# Altium PCB BLE-T1.PcbDoc (part 3 of 3)
Units mm, origin at the board's own origin, x right, y up, seen from the top; angles counter-clockwise.
Board outline 284.81 x 94.3 mm, 2 copper layers (Component Side, Bottom Layer), stack 1.571 mm thick; 189 components, 121 nets, 835 pads, 172 vias.
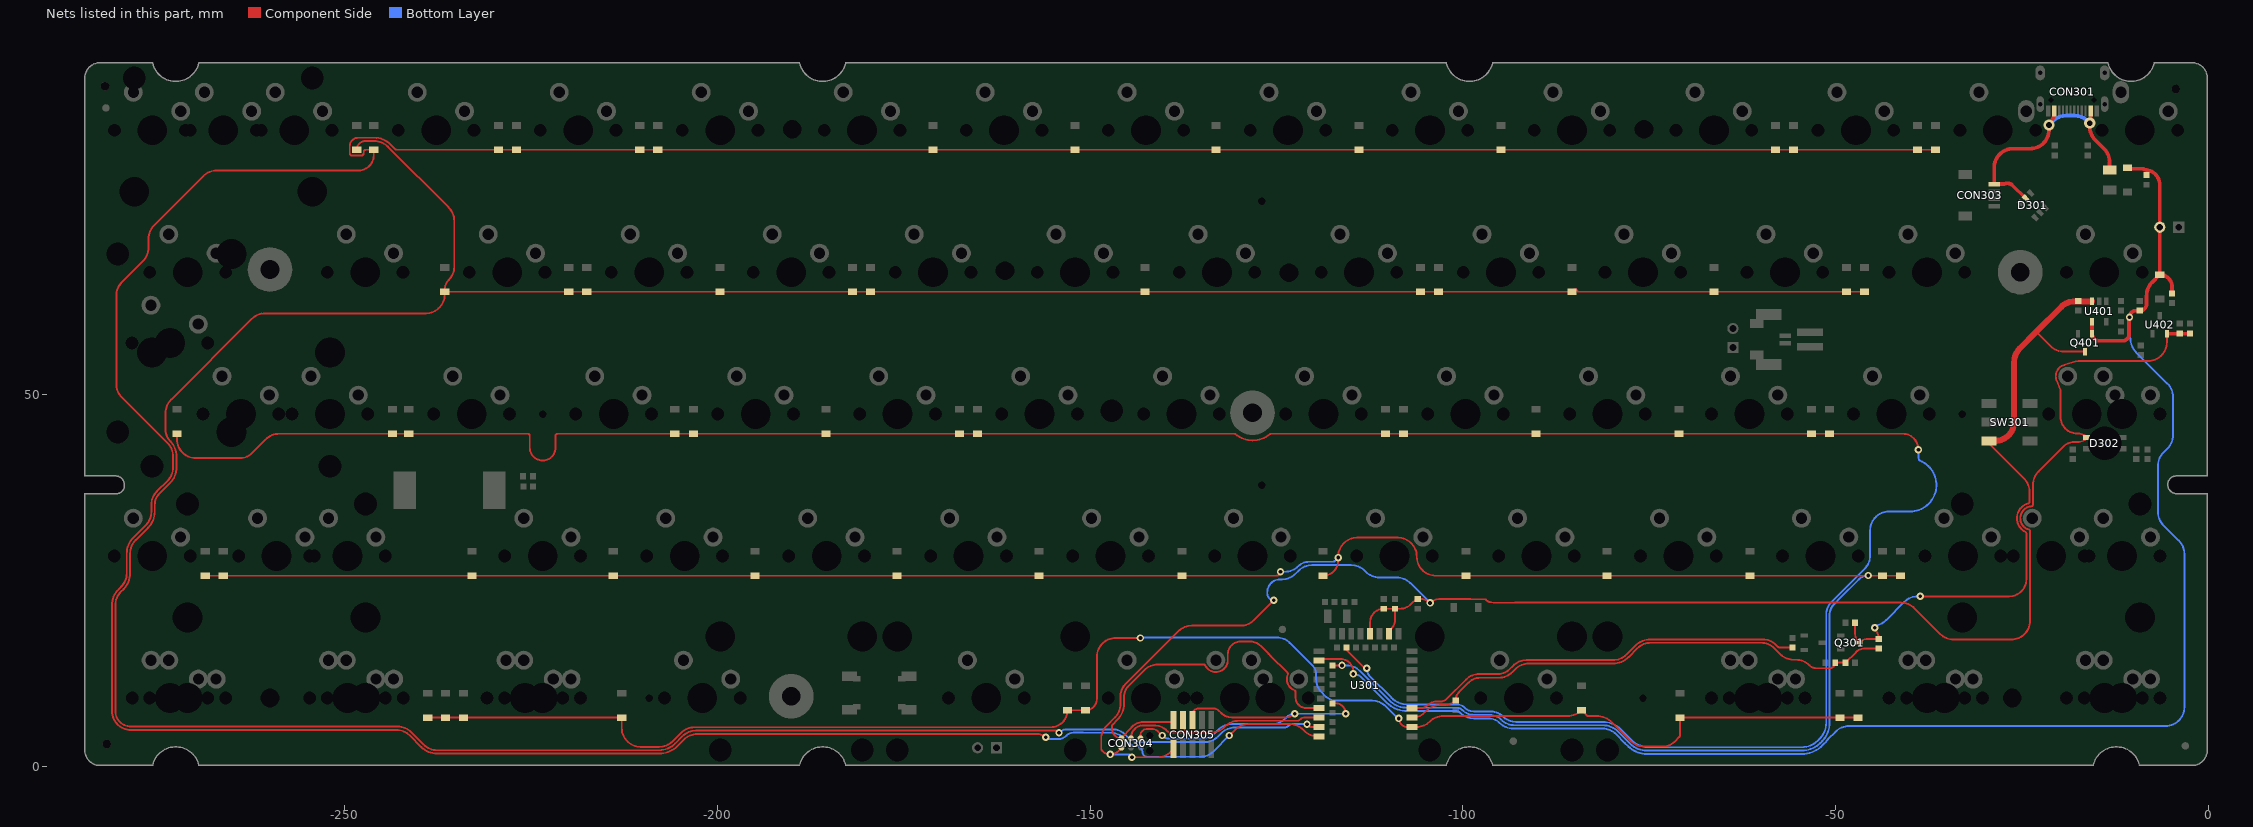
[diagram p3: the nets of this part, all layers, seen from the top]

## Via types
v1: diameter 1, hole 0.5, Component Side to Bottom Layer, tented both sides, 163 vias
v2: diameter 1.5, hole 0.8, Component Side to Bottom Layer, tented both sides, 7 vias
v3: diameter 1.5, hole 0.75, Component Side to Bottom Layer, tented both sides, 2 vias

## Nets (pads, with @x,y where several pads share a name; then routed paths per layer and width w, separated by ;. In a path a pad name is that pad's centre, name@x,y a point inside that pad or via, vN(x,y) a via of type N, cw(c..) or ccw(c..) an arc to the next point about the centre after c; other vN are vias at no path point) (continued)
RAW: CON301.A4B9 CON301.B4A9 CON303.1 D301.5 F301.2 | length 35.7
  Component Side w0.5: -26.694,78.265 cw(c-26.924,77.343) -26.261,78.024 ; D301.5@-24.467,76.283 -26.261,78.023 ccw(c-26.924,77.343) -27.287,78.221 cw(c-27.478,78.683) -27.491,78.183 ccw(c-27.555,75.644) -27.555,78.184 CON303.1@-28.702,78.184 -28.702,80.391 cw(c-26.162,80.391) -26.162,82.931 -23.876,82.931 ccw(c-23.876,85.471) -21.475,84.644 ccw(c-21.947,84.808) -21.448,84.774 cw(c-20.999,84.743) -21.409,84.929 ccw(c-21.864,85.137) -21.371,85.054 ccw(c-23.876,85.471) -21.336,85.471 v3(-21.336,86.106) -20.766,87.04 ccw(c-21.15,87.275) -20.702,87.23 -20.653,87.71 ccw(c-21.15,87.762) -20.65,87.762 CON301.B4A9@-20.65,88 ; CON301.A4B9@-15.75,88 -15.75,86.662 cw(c-16.177,86.662) v3(-15.875,86.36) -15.875,85.888 ccw(c-13.335,85.888) -15.131,84.092 -13.952,82.913 cw(c-15.748,81.117) -13.208,81.117 F301.2@-13.208,80.09
  Bottom Layer w0.5: v3(-21.336,86.106) -20.81,86.632 cw(c-19.014,84.836) -19.014,87.376 -17.943,87.376 cw(c-17.943,84.836) -16.147,86.632 v3(-15.875,86.36)
row1: D201.2 D202.2 D203.2 D204.2 D205.2 D206.2 D207.2 D208.2 D209.2 D210.2 D211.2 D212.2 D213.2 D214.2 U301.43 | length 495
  Component Side w0.254: v1(-155.956,3.937) ccw(c-157.035,2.858) -157.035,4.384 -202.717,4.384 ccw(c-202.717,1.844) -204.513,3.64 -205.384,2.769 cw(c-207.822,5.207) -207.822,1.759 -237.628,1.759 cw(c-237.628,4.753) -239.745,2.636 -241.299,4.19 ccw(c-243.095,2.394) -243.095,4.934 -278.711,4.934 cw(c-278.711,7.474) -281.251,7.474 -281.251,21.681 cw(c-278.257,21.681) -280.374,23.798 -280.017,24.155 ccw(c-281.813,25.951) -279.273,25.951 -279.273,28.612 cw(c-276.279,28.612) -278.396,30.729 -276.715,32.41 ccw(c-278.511,34.206) -275.971,34.206 -275.971,35.143 cw(c-273.431,35.143) -275.227,36.939 -273.794,38.372 ccw(c-275.59,40.168) -273.05,40.168 -273.05,41.62 ccw(c-275.59,41.62) -273.794,43.416 -279.926,49.548 cw(c-278.13,51.344) -280.67,51.344 -280.67,63.21 cw(c-278.13,63.21) -279.926,65.006 -277.096,67.836 ccw(c-278.892,69.632) -276.352,69.632 -276.352,70.83 cw(c-273.812,70.83) -275.608,72.626 -268.968,79.266 cw(c-267.172,77.47) -267.172,80.01 -248.158,80.01 ccw(c-248.158,82.042) -246.126,82.042 D214.2@-246.126,82.78 -247.221,82.78 ccw(c-247.221,82.526) -247.475,82.526 -247.475,82.325 cw(c-247.802,82.325) -247.802,81.998 -249.022,81.998 cw(c-249.022,82.325) -249.349,82.325 -249.349,83.235 cw(c-248.183,83.235) -248.183,84.401 -247.269,84.401 ccw(c-247.263,84.655) -247.26,84.401 cw(c-247.245,82.78) -247.245,84.401 -246.035,84.401 cw(c-246.035,81.407) -243.917,83.523 -243.248,82.854 ccw(c-243.069,83.034) -243.069,82.78 D213.2@-229.362,82.78 D212.2@-226.949,82.78 D211.2@-210.439,82.78 D210.2@-208.026,82.78 D209.2@-171.069,82.78 D208.2@-152.019,82.78 D207.2@-133.096,82.78 D206.2@-113.919,82.78 D205.2@-94.869,82.78 D204.2@-58.039,82.78 D203.2@-55.626,82.78 D201.2@-38.989,82.78 D202.2@-36.576,82.78 ; v1(-131.318,4.191) -130.543,4.966 cw(c-128.747,3.169) -128.747,5.709 -123.221,5.709 cw(c-123.221,3.169) -121.425,4.966 -121.267,4.808 ccw(c-119.471,6.604) -119.471,4.064 U301.43@-119.307,4.064
  Bottom Layer w0.254: v1(-155.956,3.937) ccw(c-155.715,3.937) -155.715,3.696 -154.18,3.696 ccw(c-154.388,5.417) -153.162,4.191 cw(c-152.259,3.288) -152.259,4.565 -150.935,4.565 -146.812,4.515 -146.05,4.279 -145.322,3.678 -144.826,3.181 ccw(c-143.891,4.116) -144.677,3.053 ccw(c-143.891,4.116) -143.891,2.794 -143.764,2.794 cw(c-143.764,2.032) -143.002,2.032 ccw(c-142.305,2.032) -142.305,1.335 -135.227,1.335 ccw(c-135.227,3.875) -133.431,2.078 v1(-131.318,4.191)
row2: D215.2 D216.2 D217.2 D218.2 D219.2 D220.2 D221.2 D222.2 D223.2 D224.2 D225.2 D226.2 D227.2 D259.2 U301.41 | length 473.8
  Component Side w0.254: -276.394,32.089 -278.075,30.408 ccw(c-276.279,28.612) -278.819,28.612 -278.819,25.951 cw(c-281.813,25.951) -279.696,23.834 -280.053,23.477 ccw(c-278.257,21.681) -280.797,21.681 -280.797,7.474 ccw(c-278.711,7.474) -280.161,5.974 ccw(c-278.711,7.474) -278.711,5.388 -242.907,5.388 cw(c-242.907,2.848) -241.111,4.644 -239.424,2.957 ccw(c-237.628,4.753) -237.628,2.213 -207.822,2.213 ccw(c-207.822,5.207) -205.705,3.09 -204.701,4.094 cw(c-202.905,2.298) -202.905,4.838 -154.444,4.838 v1(-154.178,4.572) ; -276.393,32.09 ccw(c-278.511,34.206) -275.517,34.206 -275.517,35.143 cw(c-273.431,35.143) -274.907,36.617 -274.634,36.89 -273.474,38.05 ccw(c-275.59,40.168) -272.596,40.168 -272.596,41.62 ccw(c-275.59,41.62) -273.298,43.546 ccw(c-275.59,41.62) -273.474,43.738 cw(c-272.044,45.168) -273.475,43.739 cw(c-272.044,45.168) -274.066,45.168 -274.066,47.462 cw(c-271.526,47.462) -273.322,49.258 -262.491,60.089 cw(c-260.695,58.293) -261.866,60.547 cw(c-260.695,58.293) -260.695,60.833 -239.141,60.833 ccw(c-239.141,63.373) -236.601,63.373 D227.2@-236.601,63.73 ; D259.2@-248.412,82.78 cw(c-247.245,82.78) -247.245,83.947 -246.035,83.947 cw(c-246.035,81.407) -244.239,83.203 -236.075,75.039 cw(c-237.871,73.243) -235.331,73.243 -235.331,67.092 cw(c-237.871,67.092) -236.075,65.296 -236.093,65.278 ccw(c-234.867,64.052) -236.601,64.052 D227.2@-236.601,63.73 ; v1(-120.904,5.715) -120.523,5.334 U301.41@-119.307,5.334 ; D215.2@-46.101,63.73 D216.2@-48.514,63.73 D217.2@-66.294,63.73 -84.431,63.73 cw(c-84.431,64.008) -84.709,64.008 -85.066,64.008 ccw(c-85.066,63.73) D218.2@-85.344,63.73 D219.2@-103.251,63.73 D220.2@-105.664,63.73 D221.2@-142.621,63.73 D222.2@-179.451,63.73 D223.2@-181.864,63.73 D224.2@-199.644,63.73 D225.2@-217.551,63.73 D226.2@-219.964,63.73 D227.2@-236.601,63.73
  Bottom Layer w0.254: v1(-154.178,4.572) cw(c-153.099,3.493) -153.099,5.019 -147.053,5.019 cw(c-147.053,2.479) -145.257,4.275 -145.028,4.046 ccw(c-143.232,5.842) -143.232,3.302 -135.128,3.302 ; -135.128,3.293 -134.665,3.293 ccw(c-134.665,5.833) -134.453,3.302 ccw(c-134.665,5.833) -132.869,4.037 -132.389,4.517 cw(c-130.593,2.721) -130.593,5.261 -125.28,5.261 ccw(c-125.28,7.678) -125.09,5.269 -123.909,5.269 ccw(c-123.909,5.926) -123.444,5.461 cw(c-122.831,4.848) -122.831,5.715 v1(-120.904,5.715)
row3: D228.2 D229.2 D230.2 D231.2 D232.2 D233.2 D234.2 D235.2 D236.2 D237.2 D238.2 D239.2 D240.2 D242.2 U301.14 | length 361.6
  Component Side w0.254: D242.2@-272.542,44.68 -272.542,43.942 ccw(c-270.002,43.942) -270.002,41.402 -264.042,41.402 ccw(c-264.042,43.57) -262.509,42.037 -260.61,43.936 cw(c-258.814,42.14) -258.814,44.68 D228.2@-243.586,44.68 D240.2@-241.427,44.68 -225.451,44.68 cw(c-225.451,44.426) -225.197,44.426 -225.197,42.815 ccw(c-223.462,42.815) -221.727,42.815 -221.727,44.426 cw(c-221.473,44.426) -221.473,44.68 D239.2@-205.74,44.68 D238.2@-203.2,44.68 D237.2@-185.42,44.68 D236.2@-167.513,44.68 D235.2@-165.1,44.68 -130.653,44.68 cw(c-130.651,44.426) -130.488,44.621 ccw(c-128.194,47.365) -125.9,44.621 cw(c-125.737,44.426) -125.735,44.68 D234.2@-110.363,44.68 D233.2@-107.95,44.68 D232.2@-90.17,44.68 D231.2@-70.993,44.68 D230.2@-53.213,44.68 D229.2@-50.8,44.68 -40.997,44.68 cw(c-40.997,42.545) v1(-38.862,42.545) ; U301.14@-115.597,15.994 -115.597,15.648 v1@-113.284,13.335
  Bottom Layer w0.254: v1(-112.903,13.208) ccw(c-111.387,13.208) -112.459,12.136 -109.563,9.24 ; -109.562,9.239 ccw(c-107.446,11.357) -107.446,8.363 -100.798,8.363 cw(c-100.798,6.898) -99.762,7.934 ccw(c-98.521,9.175) -98.521,7.42 -96.21,7.42 cw(c-96.21,5.25) -94.676,6.785 ccw(c-92.836,8.625) -92.836,6.023 -81.231,6.023 cw(c-81.231,2.575) -78.793,5.013 -77.403,3.623 ccw(c-74.965,6.061) -74.965,2.613 -54.5,2.613 ccw(c-54.5,5.607) -52.384,3.489 -52.112,3.761 ccw(c-54.229,5.878) -51.235,5.878 -51.235,8.636 -51.235,12.573 -51.235,20.357 cw(c-48.695,20.357) -50.491,22.153 -46.083,26.561 ccw(c-47.879,28.357) -45.339,28.357 -45.339,31.699 cw(c-42.799,31.699) -42.799,34.239 -40,34.239 ccw(c-40,37.79) -37.663,35.116 ccw(c-40,37.79) -37.662,35.117 ccw(c-40,37.79) -37.279,35.508 ccw(c-40,37.79) -37.103,35.737 ; v1(-38.862,42.545) -38.862,41.52 ccw(c-38.183,41.52) -38.773,41.184 ccw(c-38.552,41.309) -38.648,41.074 cw(c-40,37.79) -38.636,41.068 cw(c-40,37.79) -38.184,40.841 ; -38.183,40.841 cw(c-40,37.79) -37.969,40.703 ; -37.968,40.702 cw(c-40,37.79) -36.851,39.431 cw(c-40,37.79) -36.684,36.52 cw(c-40,37.79) -37.279,35.509
row4: D243.2 D244.2 D245.2 D246.2 D247.2 D248.2 D249.2 D250.2 D251.2 D252.2 D253.2 D254.2 D256.2 D269.2 U301.28 | length 333.2
  Component Side w0.254: D269.2@-268.732,25.63 D256.2@-266.319,25.63 D254.2@-232.918,25.63 D253.2@-213.995,25.63 D252.2@-194.945,25.63 D251.2@-175.895,25.63 D250.2@-156.845,25.63 D249.2@-137.668,25.63 -124.992,25.63 ccw(c-124.992,26.162) v1(-124.46,26.162) ; D248.2@-118.745,25.63 ccw(c-118.745,27.662) -116.713,27.662 v1(-116.713,28.067) -116.713,28.194 cw(c-114.173,28.194) -114.173,30.734 -108.712,30.734 cw(c-108.712,28.194) -106.172,28.194 -106.172,28.17 ccw(c-103.632,28.17) -103.632,25.63 D247.2@-99.568,25.63 D246.2@-80.645,25.63 D245.2@-61.468,25.63 D244.2@-43.688,25.63 D243.2@-41.275,25.63 ; U301.28@-117.457,13.589 v1(-116.205,13.589)
  Bottom Layer w0.254: v1(-124.46,26.162) -123.861,26.162 ccw(c-123.861,28.702) -122.065,26.906 cw(c-120.619,25.46) -120.619,27.505 -118.491,27.505 -117.366,27.516 ccw(c-117.369,27.77) -117.191,27.589 ; -117.19,27.59 v1(-116.713,28.067) ; v1(-116.205,13.589) -115.606,13.589 cw(c-115.606,11.049) -113.81,12.845 -109.884,8.919 ccw(c-107.446,11.357) -107.446,7.909 -100.798,7.909 cw(c-100.798,6.898) -100.083,7.613 ccw(c-98.521,9.175) -98.521,6.966 -96.398,6.966 cw(c-96.398,4.796) -94.864,6.331 ccw(c-93.024,8.171) -93.024,5.569 -81.231,5.569 cw(c-81.231,2.575) -79.115,4.693 -77.458,3.036 ; -77.457,3.035 ccw(c-75.341,5.153) -75.341,2.159 -54.5,2.159 ccw(c-54.5,5.607) -52.062,3.169 -51.791,3.44 ccw(c-54.229,5.878) -50.781,5.878 -50.781,7.819 ; -50.781,9.759 -50.781,7.819 ; v1(-45.593,25.654) ccw(c-45.593,23.831) -46.882,25.12 -49.336,22.666 -50.171,21.831 ccw(c-48.695,20.357) -50.781,20.357 -50.781,11.43 -50.781,7.819
row5: D257.2 D258.2 D260.2 D262.2 D264.2 D265.2 D266.2 D267.2 D268.2 D270.2 U301.2 | length 216.3
  Component Side w0.254: D266.2@-238.887,6.58 D264.2@-236.474,6.58 D265.2@-234.061,6.58 D267.2@-212.852,6.58 -212.852,5.207 ccw(c-210.312,5.207) -210.312,2.667 -207.822,2.667 ccw(c-207.822,5.207) -206.026,3.411 -204.889,4.548 cw(c-203.093,2.752) -203.093,5.292 -155.323,5.292 ccw(c-155.323,7.58) D268.2@-153.035,7.58 D262.2@-150.622,7.58 ccw(c-150.622,9.104) -149.098,9.104 -149.098,14.732 cw(c-146.558,14.732) -146.558,17.272 v1(-143.256,17.272) ; v1(-108.585,6.477) ccw(c-107.442,6.477) -107.442,5.334 U301.2@-106.807,5.334 -106.19,5.334 ccw(c-106.19,7.813) -104.437,6.06 cw(c-102.641,4.264) -102.641,6.804 -85.902,6.804 ccw(c-85.902,9.344) -84.106,7.548 D270.2@-84.074,7.58 -83.386,6.892 ; -83.385,6.891 ccw(c-83.207,7.072) -83.21,6.818 -82.078,6.804 cw(c-82.078,3.81) -79.96,5.926 -77.406,3.372 ccw(c-75.88,4.898) -76.156,2.758 ccw(c-76.122,3.009) -76.124,2.755 -74.041,2.74 -73.061,2.74 ccw(c-73.061,4.826) -71.628,3.31 ccw(c-73.061,4.826) -71.586,3.351 -70.941,3.996 ccw(c-71.12,4.176) -70.866,4.176 D260.2@-70.866,6.58 D258.2@-49.403,6.58 D257.2@-46.99,6.58
  Bottom Layer w0.254: v1(-143.256,17.272) -143.183,17.345 -124.985,17.345 cw(c-124.985,14.805) -123.189,16.601 -120.124,13.536 ; -120.124,13.535 cw(c-121.214,12.446) -119.673,12.446 -119.673,11.759 ccw(c-117.133,11.759) -118.929,9.963 -118.491,9.525 ccw(c-116.886,11.13) -116.886,8.86 -112.161,8.86 cw(c-112.161,6.32) -110.365,8.116 -108.726,6.477 v1(-108.585,6.477)
SWDCLK: CON304.4 CON305.4 U301.39 | length 29.3
  Component Side w0.254: CON304.4@-144.526,3.81 -144.526,3.892 cw(c-142.884,3.892) -144.045,5.053 cw(c-142.862,3.87) -143.035,5.534 cw(c-142.862,3.87) -142.862,5.543 -141.431,5.543 cw(c-141.431,3.095) -141.222,5.534 cw(c-141.431,3.095) -139.701,4.827 cw(c-141.431,3.095) -139.7,4.826 ccw(c-139.152,5.374) -139.152,4.599 -136.525,4.599 ; CON305.4@-137.541,6.268 -137.541,5.615 ccw(c-136.525,5.615) -136.525,4.599 ; U301.39@-119.307,6.604 -121.228,6.604 ccw(c-121.228,5.852) -121.759,6.384 cw(c-122.291,6.915) -122.291,6.163 -130.071,6.163 ccw(c-130.071,3.623) -131.867,5.42 -131.95,5.337 cw(c-133.731,7.117) -131.951,5.336 cw(c-133.731,7.117) -133.731,4.599 -136.525,4.599
SWDIO: CON304.2 CON305.2 U301.37 | length 51.8
  Component Side w0.254: -146.036,6.665 cw(c-148.463,8.418) -146.347,6.3 ; CON305.2@-138.951,6.128 cw(c-139.268,6.445) -139.268,5.997 -142.862,5.997 ccw(c-142.862,3.87) -144.367,5.373 ccw(c-142.884,3.892) -144.432,5.305 CON304.2@-145.796,3.81 cw(c-145.796,5.08) -147.066,5.08 -147.066,5.476 cw(c-146.812,5.476) -146.991,5.656 -146.347,6.3 ; CON305.2@-138.951,6.128 CON305.2@-138.811,6.268 ; U301.37@-119.307,7.874 -121.031,7.874 cw(c-121.031,9.271) -122.428,9.271 -122.428,10.028 ccw(c-122.682,10.029) -122.59,10.266 cw(c-122.013,11.755) -123.575,11.42 cw(c-122.013,11.755) -123.489,12.366 ccw(c-123.723,12.464) -123.544,12.644 -125.808,14.908 -126.05,15.15 -127.106,16.206 ccw(c-128.582,14.732) -128.3,16.799 ccw(c-128.582,14.732) -128.582,16.818 -129.775,16.818 ccw(c-129.775,15.055) -131.538,15.055 -131.538,14.371 cw(c-133.133,14.295) -134.559,13.576 ccw(c-134.786,13.462) -134.787,13.716 -140.927,13.716 ccw(c-140.927,11.176) -142.723,12.972 -144.834,10.861 ccw(c-143.301,9.328) -145.469,9.328 -145.469,8.418 cw(c-148.463,8.418) -146.347,6.3
SWO: CON304.6 CON305.6 U301.36 | length 48.2
  Component Side w0.254: CON304.6@-143.256,3.81 -143.256,4.189 cw(c-142.389,4.189) -143.003,4.802 ; -143.002,4.802 cw(c-142.331,4.132) -142.331,5.08 -141.732,5.08 cw(c-141.732,3.854) -140.865,4.721 ; -140.865,4.721 v1(-140.335,4.191) v1@-140.081,3.937 ; CON305.6@-136.271,6.268 -136.271,7.04 cw(c-135.516,7.04) -135.516,7.795 -133.35,7.795 cw(c-133.35,6.991) -132.782,7.56 -132.428,7.206 ; v1(-122.555,7.112) cw(c-123.749,8.306) -123.749,6.617 -131.007,6.617 cw(c-131.007,8.628) -132.427,7.205 ; U301.36@-117.457,8.509 -117.094,8.509 cw(c-117.094,7.112) -116.403,8.326 cw(c-117.094,7.112) -115.88,7.803 cw(c-117.094,7.112) v1(-115.697,7.112) ; -132.428,7.206 ccw(c-131.007,8.628) -132.427,7.205
  Bottom Layer w0.254: v1(-140.335,4.191) ccw(c-139.285,5.241) -139.285,3.756 -135.065,3.756 ccw(c-135.065,6.296) -133.268,4.5 -132.797,4.971 cw(c-131.001,3.175) -131.001,5.715 -125.429,5.715 ccw(c-125.641,8.246) -123.845,6.45 -123.627,6.668 cw(c-122.555,5.596) v1(-122.555,7.112) v1(-115.697,7.112)
VBAT: C406.2 Q301.3 Q401.3 R305.2 R308.2 SW301.1 U401.3 | length 89.1
  Component Side w0.254: R308.2@-47.356,19.304 -47.356,17.852 ccw(c-45.659,17.852) Q301.3@-46.859,16.652 ; Q301.3@-46.858,16.653 cw(c-45.633,15.426) -45.633,17.16 R305.2@-44.196,17.16 ccw(c-45.999,17.16) -44.724,18.435 -44.704,18.455 v1(-44.704,18.633) ; v1(-38.608,22.86) -26.67,22.86 ccw(c-26.67,25.146) -24.384,25.146 -24.384,31.288 ccw(c-24.638,31.289) -24.522,31.515 cw(c-23.596,33.345) -24.136,35.324 ccw(c-24.203,35.569) -23.949,35.57 -23.949,36.867 ccw(c-26.489,36.867) -24.693,38.663 -29.106,43.076 cw(c-28.454,43.728) SW301.1@-29.376,43.728 ; -25.551,32.724 ccw(c-23.596,33.345) -24.523,31.515 ; -23.041,58.347 -21.134,56.44 ccw(c-19.338,58.236) -19.338,55.696 Q401.3@-16.51,55.696
  Component Side w0.8: SW301.1@-29.376,43.728 -28.556,43.728 ccw(c-28.556,46.268) -28.258,43.745 ccw(c-28.556,46.268) -26.033,45.97 ccw(c-28.556,46.268) -26.016,46.268 -26.016,54.32 cw(c-23.476,54.32) -25.272,56.116 -23.041,58.347 -19.695,61.693 cw(c-17.899,59.897) -17.899,62.437 -15.58,62.437 U401.3@-15.555,62.462
  Bottom Layer w0.254: v1(-44.704,18.633) -44.994,18.923 ccw(c-44.994,21.463) -43.198,19.667 -40.749,22.116 cw(c-38.953,20.32) -38.953,22.86 v1(-38.608,22.86)
VBAT_EN: R309.2 U301.4 | length 54.5
  Component Side w0.254: U301.4@-106.807,7.874 -105.611,7.874 ccw(c-105.611,9.091) -104.751,8.231 cw(c-103.51,6.99) -103.51,8.745 -102.997,8.745 ccw(c-102.997,9.926) -102.161,9.091 -99.55,11.702 cw(c-97.754,9.906) -97.754,12.446 -95.25,12.446 ccw(c-95.25,14.592) -93.732,13.075 -93.254,13.553 cw(c-91.458,11.757) -91.458,14.297 -79.853,14.297 ccw(c-79.853,16.837) -78.057,15.041 -76.884,16.214 ; -76.883,16.215 cw(c-74.767,14.097) -74.767,17.091 -59.779,17.091 cw(c-59.779,14.551) -57.983,16.347 -57.775,16.139 ccw(c-57.409,16.505) -57.409,15.987 R309.2@-55.753,15.987
VBAT_SENSE: C307.2 R305.1 R306.2 R307.1 U301.3 | length 68.4
  Component Side w0.254: U301.3@-106.807,6.604 -106.703,6.604 ccw(c-106.703,8.794) -105.155,7.245 ; -105.149,7.239 -104.846,7.542 ; -104.845,7.542 cw(c-103.124,5.819) -103.124,8.255 -102.534,8.255 ccw(c-102.534,10.474) C307.2@-100.965,8.905 cw(c-99.468,8.905) -100.527,9.963 -99.181,11.309 cw(c-97.663,9.792) -97.663,11.938 -95.159,11.938 ccw(c-95.159,14.478) -93.363,12.682 -92.946,13.099 cw(c-91.15,11.303) -91.15,13.843 -79.853,13.843 ccw(c-79.853,16.837) -77.737,14.719 ; -77.736,14.72 -76.563,15.893 cw(c-74.767,14.097) -74.767,16.637 -59.98,16.637 cw(c-59.98,14.097) -58.184,15.893 -57.386,15.095 ccw(c-55.59,16.891) -55.685,14.353 ccw(c-55.59,16.891) -55.59,14.351 -55.281,14.351 cw(c-55.281,11.811) -53.485,13.607 -53.467,13.589 ccw(c-52.547,14.509) -52.547,13.208 -50.785,13.208 ccw(c-50.785,13.97) R306.2@-50.023,13.97 R307.1@-48.656,13.97 -47.236,15.39 cw(c-46.101,14.255) -46.101,15.86 R305.1@-44.196,15.86
VBUS: C304.2 CON306.2 D303.2 D401.1 D402.1 Q401.1 R405.1 U301.27 U401.4 | length 218.9
  Component Side w0.254: U301.27@-119.307,14.224 -119.053,14.478 -116.459,14.478 cw(c-116.459,12.7) -114.681,12.7 v1(-114.681,12.446)
  Component Side w0.5: U401.4@-15.555,59.712 -15.56,59.712 Q401.1@-15.56,58.096 ccw(c-14.614,58.096) -14.614,57.15 -11.458,57.15 ccw(c-11.458,58.001) -10.607,58.001 -10.607,60.259 cw(c-10.541,60.259) v1(-10.541,60.325) cw(c-9.667,60.325) -9.667,61.199 D401.1@-9.144,61.199 ccw(c-9.144,62.088) -8.255,62.088 -8.255,63.194 cw(c-5.715,63.194) -7.747,64.718 cw(c-5.715,63.194) -7.511,64.99 D402.1@-6.477,66.024 ; D303.2@-10.541,80.248 -8.89,80.248 cw(c-8.89,79.709) -8.509,80.09 cw(c-8.509,78.058) -6.477,78.058 CON306.2@-6.477,72.39 D402.1@-6.477,66.024 ; R405.1@-4.826,63.515 -4.826,64.373 ccw(c-6.477,64.373) D402.1@-6.477,66.024
  Bottom Layer w0.254: v1(-114.681,12.446) cw(c-114.681,10.93) -113.61,12.003 ; -113.609,12.002 -110.205,8.598 ccw(c-107.446,11.357) -110.204,8.597 ccw(c-107.446,11.357) -107.446,7.455 -100.84,7.455 cw(c-100.84,6.856) -100.417,7.279 ccw(c-98.521,9.175) -98.521,6.494 -96.568,6.494 cw(c-96.568,4.325) -95.034,5.859 ccw(c-93.238,7.655) -93.238,5.115 -81.231,5.115 cw(c-81.231,2.575) -79.435,4.371 -78.236,3.171 -77.779,2.715 ccw(c-75.341,5.153) -77.777,2.713 ccw(c-75.341,5.153) -75.341,1.705 -54.5,1.705 ccw(c-54.5,5.607) -51.74,2.849 -51.471,3.118 ccw(c-54.229,5.878) -51.003,3.684 -49.969,4.717 cw(c-48.173,2.921) -48.173,5.461 -5.715,5.461 ccw(c-5.715,8.001) -3.175,8.001 -3.175,28.539 ccw(c-5.715,28.539) -3.919,30.335 -5.987,32.403 cw(c-4.191,34.199) -6.731,34.199 -6.731,40.35 cw(c-4.191,40.35) -5.987,42.146 -5.443,42.69 ccw(c-7.239,44.486) -4.699,44.486 -4.699,49.621 ccw(c-7.239,49.621) -5.443,51.417 -9.67,55.644 cw(c-7.874,57.44) -10.414,57.44 -10.541,57.567 v1(-10.541,60.325)
VCC3V3: C301.2 C302.2 C403.2 C404.2 CON304.1 CON305.1 D302.4 L301.1 U301.19 U301.23 U402.2 | length 234.3
  Component Side w0.254: CON304.1@-145.796,2.54 -146.236,2.1 cw(c-147.32,3.184) v1(-147.32,1.651) cw(c-147.32,3.048) -148.471,2.257 cw(c-148.261,2.399) -148.514,2.383 cw(c-147.334,2.461) -148.517,2.461 -148.517,3.72 cw(c-145.977,3.72) -147.773,5.516 -146.667,6.622 ccw(c-148.463,8.418) -145.923,8.418 -145.923,9.516 cw(c-143.755,9.516) -145.288,11.049 -138.158,18.179 cw(c-136.362,16.383) -136.362,18.923 -129.83,18.923 ccw(c-129.83,21.463) -128.034,19.667 v1(-125.349,22.352) ; v1(-144.399,1.27) -140.961,1.27 ccw(c-140.961,3.81) -139.165,2.014 CON305.1@-138.811,2.368 ; U301.19@-112.427,17.844 -112.427,19.384 cw(c-110.617,19.384) -112.137,20.367 cw(c-110.617,19.384) C301.2@-110.617,21.194 C302.2@-109.093,21.194 ; U301.23@-109.887,17.844 -109.887,18.256 -109.49,18.653 ; -109.49,18.653 ccw(c-110.448,19.611) -109.093,19.611 C302.2@-109.093,21.194 ; v1@-104.394,21.971 cw(c-103.168,20.745) -103.168,22.479 -98.986,22.479 cw(c-98.986,22.225) -98.977,22.479 -98.683,22.469 ccw(c-98.676,22.723) -98.676,22.469 -97.058,22.466 cw(c-97.057,22.212) -96.862,22.374 ccw(c-96.225,22.902) -96.363,22.087 -95.885,22.005 -93.092,22.005 cw(c-92.907,17.653) -92.907,22.009 -41.194,22.009 cw(c-41.194,19.469) -39.398,21.265 -35.933,17.8 ccw(c-34.137,19.596) -34.137,17.056 -26.416,17.056 ccw(c-26.416,19.596) -23.876,19.596 -23.876,31.623 ccw(c-24.125,31.571) -24.051,31.814 ; v1(-104.391,21.974) cw(c-104.251,22.186) -104.425,22.001 -104.426,22.002 ccw(c-105.657,20.708) -105.657,22.494 L301.1@-106.045,22.494 -106.254,22.494 -106.912,21.837 cw(c-108.463,23.388) -108.463,21.194 C302.2@-109.093,21.194 ; -24.052,31.814 cw(c-23.596,33.345) -23.728,34.937 ccw(c-23.749,35.19) -23.495,35.191 -23.495,37.81 cw(c-20.955,37.81) -22.751,39.606 -19.367,42.99 cw(c-17.988,41.61) -17.988,43.561 -17.526,43.561 ccw(c-17.526,45.391) -16.232,44.097 D302.4@-16.157,44.172 ccw(c-17.441,42.888) -17.441,44.704 -17.526,44.704 cw(c-17.526,46.99) -19.812,46.99 -19.812,50.51 ccw(c-20.066,50.51) -19.831,50.606 -20.313,51.793 -20.314,51.797 cw(c-18.834,52.395) -19.285,53.927 -17.822,54.361 cw(c-17.237,52.395) -17.409,54.439 ; -17.408,54.439 cw(c-17.237,52.395) -17.237,54.446 -8.067,54.446 ccw(c-8.067,56.986) -5.527,56.986 U402.2@-5.527,58.109
  Component Side w0.5: U402.2@-5.527,58.109 -2.455,58.109 ccw(c-2.455,58.151) C404.2@-2.413,58.151
  Bottom Layer w0.254: v1(-147.32,1.651) -144.78,1.651 v1(-144.399,1.27) ; v1(-125.349,22.352) cw(c-125.349,23.241) -126.238,23.241 -126.238,23.403 cw(c-124.495,23.403) -125.728,24.635 cw(c-124.494,23.402) -124.494,25.146 -124.242,25.146 ccw(c-124.242,27.686) -122.718,25.654 ccw(c-124.242,27.686) -122.446,25.89 -122.029,26.307 cw(c-120.233,24.511) -120.233,27.051 -114.964,27.051 cw(c-114.964,24.511) -113.168,26.307 -113.005,26.144 ccw(c-111.209,27.94) -111.209,25.4 -108.875,25.4 cw(c-108.875,22.86) -107.079,24.656 ; v1(-104.391,21.974) -107.078,24.655 ; -107.079,24.656 ccw(c-106.899,24.835) -107.078,24.655
pads on no net: CON301. CON301.A8 CON301.B8 CON304.0 CON305.7 CON305.8 CON403.0 D301.1 D301.6 D302. FID1.0 FID2.0 FID3.0 FID4.0 S201. S202. S203. S204. S205. S206. S207. S208. S209. S210. S211. S212. S213. S214. S215. S216. S217. S218. S219. S220. S221. S222. S223. S224. S225. S226. S227. S228. S228_2. S229. S230. S231. S232. S233. S234. S235. S236. S237. S238. S239. S240. S242. S243. S244. S245. S246. S247. S248. S249. S250. S251. S252. S253. S254. S256. S257. S258. S259. S260. S262. S264. S265. S266. S267. S268. S269. S270. S301. SW301.3 SW301.4 SW301.5 SW301.6 U301.33 U301.35

## Polygon pours and split planes (outlines as drawn)
GND on Bottom Layer "Component Side-No Net" (hatched 45Degree grid 0.508 track 0.203, remove dead copper, pour order 4): -0.635,93.995 -0.635,0.65 -284.48,0.65 -284.48,93.995
GND on Component Side "Component Side-No Net" (hatched 45Degree grid 0.508 track 0.203, remove dead copper, pour order 8): -0.635,93.995 -0.635,0.65 -284.48,0.65 -284.48,93.995

## Other copper
Component Side:
  pour cut-out: -214,74.69 cw(c-214,75.89) -214,77.09 -40,77.09 cw(c-40,75.89) -38.8,75.89 cw(c-40,75.89) -40,74.69
  pour cut-out: -214,36.59 cw(c-214,37.79) -214,38.99 -40,38.99 cw(c-40,37.79) -38.8,37.79 cw(c-40,37.79) -40,36.59
  pour cut-out: -285.3,2.215 ccw(c-282.85,2.215) -282.85,-0.235 ccw(c-282.85,0.215) -282.848,-0.235 -275.85,-0.235 ccw(c-275.85,0.215) -275.411,0.114 cw(c-272.7,-0.52) -269.989,0.113 ccw(c-269.55,0.215) -269.1,0.215 ccw(c-269.55,0.215) -269.111,0.317 ccw(c-272.7,-0.52) -276.189,0.665 -282.85,0.665 ccw(c-282.85,0.215) -282.851,0.665 ccw(c-282.85,2.215) -282.85,0.665 -282.851,0.665 cw(c-282.85,2.215) -284.4,2.215 -284.4,36.126 -280.67,36.126 ccw(c-280.67,37.719) -279.077,37.719 -279.077,37.795 ccw(c-280.797,37.795) -280.797,39.515 -284.4,39.515 -284.4,92.415 ccw(c-284.85,92.415) -284.4,92.416 cw(c-282.85,92.415) -282.851,93.965 cw(c-282.85,92.415) -282.85,93.965 -276.189,93.965 ccw(c-272.7,95.149) -269.211,93.965 -189.389,93.965 ccw(c-185.9,95.149) -182.411,93.965 -102.589,93.965 ccw(c-99.1,95.149) -95.611,93.965 -13.816,93.965 ccw(c-10.327,95.149) -6.838,93.965 -2.15,93.965 cw(c-2.15,92.415) -0.6,92.415 -0.6,39.515 -4.242,39.515 ccw(c-4.242,37.846) -5.911,37.846 ccw(c-4.191,37.846) -4.191,36.126 -0.6,36.126 -0.6,2.215 cw(c-2.15,2.215) -2.15,0.665 -8.811,0.665 ccw(c-12.3,-0.52) -15.789,0.665 -95.611,0.665 ccw(c-99.1,-0.52) -102.589,0.665 -182.411,0.665 ccw(c-185.9,-0.52) -189.489,0.317 ccw(c-189.05,0.215) -188.611,0.113 cw(c-185.9,-0.52) -183.189,0.114 cw(c-185.9,-0.52) -183.189,0.113 -183.189,0.114 ccw(c-182.75,0.215) -182.75,-0.235 -102.25,-0.235 ccw(c-102.25,0.215) -101.811,0.115 cw(c-99.1,-0.52) -96.389,0.114 cw(c-99.1,-0.52) -96.389,0.113 -96.389,0.114 ccw(c-95.95,0.215) -95.95,-0.235 -15.45,-0.235 ccw(c-15.45,0.215) -15.011,0.114 cw(c-12.3,-0.52) -9.589,0.113 ccw(c-9.15,0.215) -9.15,-0.235 -2.15,-0.235 ccw(c-2.15,2.215) 0.3,2.215 0.3,36.576 ccw(c-0.15,36.576) -0.15,37.026 -4.191,37.026 cw(c-4.191,37.846) -5.011,37.846 cw(c-4.242,37.846) -4.242,38.615 -0.15,38.615 ccw(c-0.15,39.065) 0.3,39.065 0.3,92.415 ccw(c-2.15,92.415) -2.15,94.865 -7.15,94.865 ccw(c-7.15,94.415) -7.164,94.865 ccw(c-7.177,94.415) -7.616,94.517 cw(c-10.327,95.149) -13.038,94.516 cw(c-10.327,95.149) -13.038,94.517 -13.038,94.516 ccw(c-13.477,94.415) -13.477,94.865 -95.95,94.865 ccw(c-95.95,94.415) -96.389,94.517 cw(c-99.1,95.149) -101.811,94.516 cw(c-99.1,95.149) -101.811,94.517 -101.811,94.516 ccw(c-102.25,94.415) -102.25,94.865 -182.75,94.865 ccw(c-182.75,94.415) -183.189,94.516 ccw(c-185.9,95.149) -183.189,94.517 -183.189,94.516 cw(c-185.9,95.149) -188.611,94.517 ccw(c-189.05,94.415) -189.05,94.865 -269.55,94.865 ccw(c-269.55,94.415) -269.988,94.517 cw(c-272.7,95.149) -275.411,94.516 ccw(c-275.85,94.415) -275.85,94.865 -282.85,94.865 cw(c-282.85,94.415) -282.848,94.865 -282.85,94.865 ccw(c-282.85,92.415) -285.3,92.415 ccw(c-284.85,92.415) -285.3,92.413 -285.3,39.065 ccw(c-284.85,39.065) -284.85,38.615 -280.797,38.615 cw(c-280.797,37.795) -279.977,37.795 -279.977,37.719 cw(c-280.67,37.719) -280.67,37.026 -284.861,37.026 ccw(c-284.861,36.576) -285.3,36.477
  pour cut-out: -269.55,-0.235 cw(c-269.55,0.215) -269.55,0.665 -189.05,0.665 cw(c-189.05,0.215) -188.6,0.215 cw(c-189.05,0.215) -189.05,-0.235
  pour cut-out: -285.313,36.012 -285.313,39.695 -280.67,39.695 cw(c-280.67,37.846) -280.67,35.997 -285.298,35.997 cw(c-285.298,36.012)
  pour cut-out: 0.254,39.624 0.254,35.941 -4.389,35.941 cw(c-4.389,37.79) -4.389,39.639 0.239,39.639 cw(c0.239,39.624)
  pour cut-out: -276.23,94.342 ccw(c-272.694,95.149) -269.147,94.388 ccw(c-269.272,94.415) -269.144,94.415 ccw(c-269.272,94.415) -269.272,94.542 -276.061,94.542 ccw(c-276.061,94.415) -276.171,94.48 ccw(c-276.106,94.37)
  pour cut-out: -189.43,94.342 ccw(c-185.894,95.149) -182.347,94.388 ccw(c-182.472,94.415) -182.344,94.415 ccw(c-182.472,94.415) -182.472,94.542 -189.261,94.542 ccw(c-189.261,94.415) -189.371,94.48 ccw(c-189.306,94.37)
  pour cut-out: -102.63,94.342 ccw(c-99.094,95.149) -95.547,94.388 ccw(c-95.672,94.415) -95.544,94.415 ccw(c-95.672,94.415) -95.672,94.542 -102.461,94.542 ccw(c-102.461,94.415) -102.571,94.48 ccw(c-102.506,94.37)
  pour cut-out: -269.158,0.288 ccw(c-272.694,-0.519) -276.241,0.242 ccw(c-276.116,0.215) -276.244,0.215 ccw(c-276.116,0.215) -276.116,0.088 -269.327,0.088 ccw(c-269.327,0.215) -269.217,0.15 ccw(c-269.282,0.26)
  pour cut-out: -182.358,0.288 ccw(c-185.894,-0.519) -189.441,0.242 ccw(c-189.316,0.215) -189.444,0.215 ccw(c-189.316,0.215) -189.316,0.088 -182.527,0.088 ccw(c-182.527,0.215) -182.417,0.15 ccw(c-182.482,0.26)
  pour cut-out: -95.558,0.288 ccw(c-99.094,-0.519) -102.641,0.242 ccw(c-102.516,0.215) -102.644,0.215 ccw(c-102.516,0.215) -102.516,0.088 -95.727,0.088 ccw(c-95.727,0.215) -95.617,0.15 ccw(c-95.682,0.26)
  pour cut-out: -8.758,0.288 ccw(c-12.294,-0.519) -15.841,0.242 ccw(c-15.716,0.215) -15.844,0.215 ccw(c-15.716,0.215) -15.716,0.088 -8.927,0.088 ccw(c-8.927,0.215) -8.817,0.15 ccw(c-8.882,0.26)
  pour cut-out: -13.83,94.342 ccw(c-10.294,95.149) -6.747,94.388 ccw(c-6.872,94.415) -6.744,94.415 ccw(c-6.872,94.415) -6.872,94.542 -13.661,94.542 ccw(c-13.661,94.415) -13.771,94.48 ccw(c-13.706,94.37)
  pour cut-out: -129.794,0.635 ccw(c-129.54,0.635) -129.54,0.381 -97.028,0.381 -97.028,2.921 ccw(c-98.298,2.921) -98.298,4.191 -128.524,4.191 ccw(c-128.524,2.921) -129.794,2.921
Bottom Layer:
  pour cut-out: -214,36.59 cw(c-214,37.79) -214,38.99 -40,38.99 cw(c-40,37.79) -38.8,37.79 cw(c-40,37.79) -40,36.59
  pour cut-out: -214,74.69 cw(c-214,75.89) -214,77.09 -40,77.09 cw(c-40,75.89) -38.8,75.89 cw(c-40,75.89) -40,74.69
  pour cut-out: -285.3,2.215 ccw(c-282.85,2.215) -282.85,-0.235 ccw(c-282.85,0.215) -282.848,-0.235 -275.85,-0.235 ccw(c-275.85,0.215) -275.411,0.114 cw(c-272.7,-0.52) -269.989,0.113 ccw(c-269.55,0.215) -269.1,0.215 ccw(c-269.55,0.215) -269.111,0.317 ccw(c-272.7,-0.52) -276.189,0.665 -282.85,0.665 ccw(c-282.85,0.215) -282.851,0.665 ccw(c-282.85,2.215) -282.85,0.665 -282.851,0.665 cw(c-282.85,2.215) -284.4,2.215 -284.4,36.126 -280.67,36.126 ccw(c-280.67,37.719) -279.077,37.719 -279.077,37.795 ccw(c-280.797,37.795) -280.797,39.515 -284.4,39.515 -284.4,92.415 ccw(c-284.85,92.415) -284.4,92.416 cw(c-282.85,92.415) -282.851,93.965 cw(c-282.85,92.415) -282.85,93.965 -276.189,93.965 ccw(c-272.7,95.149) -269.211,93.965 -189.389,93.965 ccw(c-185.9,95.149) -182.411,93.965 -102.589,93.965 ccw(c-99.1,95.149) -95.611,93.965 -13.816,93.965 ccw(c-10.327,95.149) -6.838,93.965 -2.15,93.965 cw(c-2.15,92.415) -0.6,92.415 -0.6,39.515 -4.242,39.515 ccw(c-4.242,37.846) -5.911,37.846 ccw(c-4.191,37.846) -4.191,36.126 -0.6,36.126 -0.6,2.215 cw(c-2.15,2.215) -2.15,0.665 -8.811,0.665 ccw(c-12.3,-0.52) -15.789,0.665 -95.611,0.665 ccw(c-99.1,-0.52) -102.589,0.665 -182.411,0.665 ccw(c-185.9,-0.52) -189.489,0.317 ccw(c-189.05,0.215) -188.611,0.113 cw(c-185.9,-0.52) -183.189,0.114 cw(c-185.9,-0.52) -183.189,0.113 -183.189,0.114 ccw(c-182.75,0.215) -182.75,-0.235 -102.25,-0.235 ccw(c-102.25,0.215) -101.811,0.115 cw(c-99.1,-0.52) -96.389,0.114 cw(c-99.1,-0.52) -96.389,0.113 -96.389,0.114 ccw(c-95.95,0.215) -95.95,-0.235 -15.45,-0.235 ccw(c-15.45,0.215) -15.011,0.114 cw(c-12.3,-0.52) -9.589,0.113 ccw(c-9.15,0.215) -9.15,-0.235 -2.15,-0.235 ccw(c-2.15,2.215) 0.3,2.215 0.3,36.576 ccw(c-0.15,36.576) -0.15,37.026 -4.191,37.026 cw(c-4.191,37.846) -5.011,37.846 cw(c-4.242,37.846) -4.242,38.615 -0.15,38.615 ccw(c-0.15,39.065) 0.3,39.065 0.3,92.415 ccw(c-2.15,92.415) -2.15,94.865 -7.15,94.865 ccw(c-7.15,94.415) -7.164,94.865 ccw(c-7.177,94.415) -7.616,94.517 cw(c-10.327,95.149) -13.038,94.516 cw(c-10.327,95.149) -13.038,94.517 -13.038,94.516 ccw(c-13.477,94.415) -13.477,94.865 -95.95,94.865 ccw(c-95.95,94.415) -96.389,94.517 cw(c-99.1,95.149) -101.811,94.516 cw(c-99.1,95.149) -101.811,94.517 -101.811,94.516 ccw(c-102.25,94.415) -102.25,94.865 -182.75,94.865 ccw(c-182.75,94.415) -183.189,94.516 ccw(c-185.9,95.149) -183.189,94.517 -183.189,94.516 cw(c-185.9,95.149) -188.611,94.517 ccw(c-189.05,94.415) -189.05,94.865 -269.55,94.865 ccw(c-269.55,94.415) -269.988,94.517 cw(c-272.7,95.149) -275.411,94.516 ccw(c-275.85,94.415) -275.85,94.865 -282.85,94.865 cw(c-282.85,94.415) -282.848,94.865 -282.85,94.865 ccw(c-282.85,92.415) -285.3,92.415 ccw(c-284.85,92.415) -285.3,92.413 -285.3,39.065 ccw(c-284.85,39.065) -284.85,38.615 -280.797,38.615 cw(c-280.797,37.795) -279.977,37.795 -279.977,37.719 cw(c-280.67,37.719) -280.67,37.026 -284.861,37.026 ccw(c-284.861,36.576) -285.3,36.477
  pour cut-out: -269.55,-0.235 cw(c-269.55,0.215) -269.55,0.665 -189.05,0.665 cw(c-189.05,0.215) -188.6,0.215 cw(c-189.05,0.215) -189.05,-0.235
  pour cut-out: -285.313,36.012 -285.313,39.695 -280.67,39.695 cw(c-280.67,37.846) -280.67,35.997 -285.298,35.997 cw(c-285.298,36.012)
  pour cut-out: 0.254,39.624 0.254,35.941 -4.389,35.941 cw(c-4.389,37.79) -4.389,39.639 0.239,39.639 cw(c0.239,39.624)
  pour cut-out: -269.158,0.288 ccw(c-272.694,-0.519) -276.241,0.242 ccw(c-276.116,0.215) -276.244,0.215 ccw(c-276.116,0.215) -276.116,0.088 -269.327,0.088 ccw(c-269.327,0.215) -269.217,0.15 ccw(c-269.282,0.26)
  pour cut-out: -276.23,94.342 ccw(c-272.694,95.149) -269.147,94.388 ccw(c-269.272,94.415) -269.144,94.415 ccw(c-269.272,94.415) -269.272,94.542 -276.061,94.542 ccw(c-276.061,94.415) -276.171,94.48 ccw(c-276.106,94.37)
  pour cut-out: -189.43,94.342 ccw(c-185.894,95.149) -182.347,94.388 ccw(c-182.472,94.415) -182.344,94.415 ccw(c-182.472,94.415) -182.472,94.542 -189.261,94.542 ccw(c-189.261,94.415) -189.371,94.48 ccw(c-189.306,94.37)
  pour cut-out: -182.358,0.288 ccw(c-185.894,-0.519) -189.441,0.242 ccw(c-189.316,0.215) -189.444,0.215 ccw(c-189.316,0.215) -189.316,0.088 -182.527,0.088 ccw(c-182.527,0.215) -182.417,0.15 ccw(c-182.482,0.26)
  pour cut-out: -95.558,0.288 ccw(c-99.094,-0.519) -102.641,0.242 ccw(c-102.516,0.215) -102.644,0.215 ccw(c-102.516,0.215) -102.516,0.088 -95.727,0.088 ccw(c-95.727,0.215) -95.617,0.15 ccw(c-95.682,0.26)
  pour cut-out: -102.63,94.342 ccw(c-99.094,95.149) -95.547,94.388 ccw(c-95.672,94.415) -95.544,94.415 ccw(c-95.672,94.415) -95.672,94.542 -102.461,94.542 ccw(c-102.461,94.415) -102.571,94.48 ccw(c-102.506,94.37)
  pour cut-out: -13.83,94.342 ccw(c-10.294,95.149) -6.747,94.388 ccw(c-6.872,94.415) -6.744,94.415 ccw(c-6.872,94.415) -6.872,94.542 -13.661,94.542 ccw(c-13.661,94.415) -13.771,94.48 ccw(c-13.706,94.37)
  pour cut-out: -8.758,0.288 ccw(c-12.294,-0.519) -15.841,0.242 ccw(c-15.716,0.215) -15.844,0.215 ccw(c-15.716,0.215) -15.716,0.088 -8.927,0.088 ccw(c-8.927,0.215) -8.817,0.15 ccw(c-8.882,0.26)
  pour cut-out: -129.794,0.635 ccw(c-129.54,0.635) -129.54,0.381 -97.028,0.381 -97.028,2.921 ccw(c-98.298,2.921) -98.298,4.191 -128.524,4.191 ccw(c-128.524,2.921) -129.794,2.921

## Silkscreen, mask and mechanical layers (free items; w line width, h text height)
Top Overlay:
  lines w0.254: -146.304,16.271 -146.304,21.971 -128.27,21.971 -128.27,16.271 -146.304,16.271
  text "5V IN" at -2.159,74.041 h0.75 r270
  text "-" at -3.429,70.727 h1.5 r180
  text "+" at -5.664,69.493 h1.5 r90
  text "+" at -66.651,57.988 h1.5
  text "-" at -66.701,55.488 h1.5
  text "BLE-T1" at -144.399,18.542 h5
  text "Rev A1" at -145.161,17.018 h2
  text "by 4pplet" at -137.414,17.018 h2
Bottom Overlay:
  lines w0.2: -2.687,73.69 -7.737,73.69 -7.737,71.14 -2.637,71.14 -2.637,73.64 ; -65.024,54.991 -62.484,54.991 -62.484,60.071 -65.024,60.071 -65.024,54.991
  text "5V IN" at -3.556,74.168 h0.75
  text "-" at -3.429,70.727 h1.5 r180
  text "+" at -5.664,69.493 h1.5 r90
  text "BAT" at -62.738,60.579 h0.75
  text "+" at -66.651,57.988 h1.5
  text "-" at -66.701,55.488 h1.5
outline:
  lines w0.1: -284.861,36.576 -280.67,36.576 ccw(c-280.67,37.719) -279.527,37.719 -279.527,37.795 ccw(c-280.797,37.795) -280.797,39.065 -284.85,39.065 -284.85,92.415 cw(c-282.85,92.415) -282.85,94.415 -275.85,94.415 ccw(c-272.7,95.149) -269.55,94.415 -189.05,94.415 ccw(c-185.9,95.149) -182.75,94.415 -102.25,94.415 ccw(c-99.1,95.149) -95.95,94.415 -23.553,94.415 ; -284.85,36.565 -284.85,2.215 ccw(c-282.85,2.215) -282.85,0.215 -275.85,0.215 cw(c-272.7,-0.52) -269.55,0.215 -189.05,0.215 cw(c-185.9,-0.52) -182.75,0.215 -102.25,0.215 cw(c-99.1,-0.52) -95.95,0.215 -15.45,0.215 cw(c-12.3,-0.52) -9.15,0.215 -2.15,0.215 ccw(c-2.15,2.215) -0.15,2.215 -0.15,36.576 -0.762,36.576 -4.191,36.576 cw(c-4.191,37.846) -5.461,37.846 cw(c-4.242,37.846) -4.242,39.065 -0.15,39.065 -0.15,92.415 ccw(c-2.15,92.415) -2.15,94.415 -7.15,94.415 ; -24.208,94.415 -13.477,94.415 ccw(c-10.327,95.149) -7.177,94.415
Mechanical 16:
  drawing of 561 lines, arcs and shapes, not listed

## Dimensions
-0.15,92.415 to -284.85,92.415 on top dimensions
-9.15,0.215 to -7.177,94.415 on top dimensions
-0.15,92.415 to -284.85,92.415 on bot dimensions
-9.15,0.215 to -2.15,94.415 on bot dimensions

## Text inside footprints (layer, text, board x,y; h text height)
CON301: Mechanical 15 "connector edge" at -15.25,95.25 h1 r180
CON305: Top Overlay "1" at -140.081,3.048 h1.02 r180
CON401: Top Overlay "-" at -51.396,53.404 h1.54; Top Overlay "3.7V Li-ION" at -50.927,56.642 h1.3; Top Overlay "+" at -51.65,61.024 h1.54 r270
S262: Mechanical 16 "6.25U" at -188.764,5.615 h1.52 r270; Mechanical 16 "7U" at -208.331,7.365 h1.52 r270